# KiCad board DFTBoard.kicad_pcb
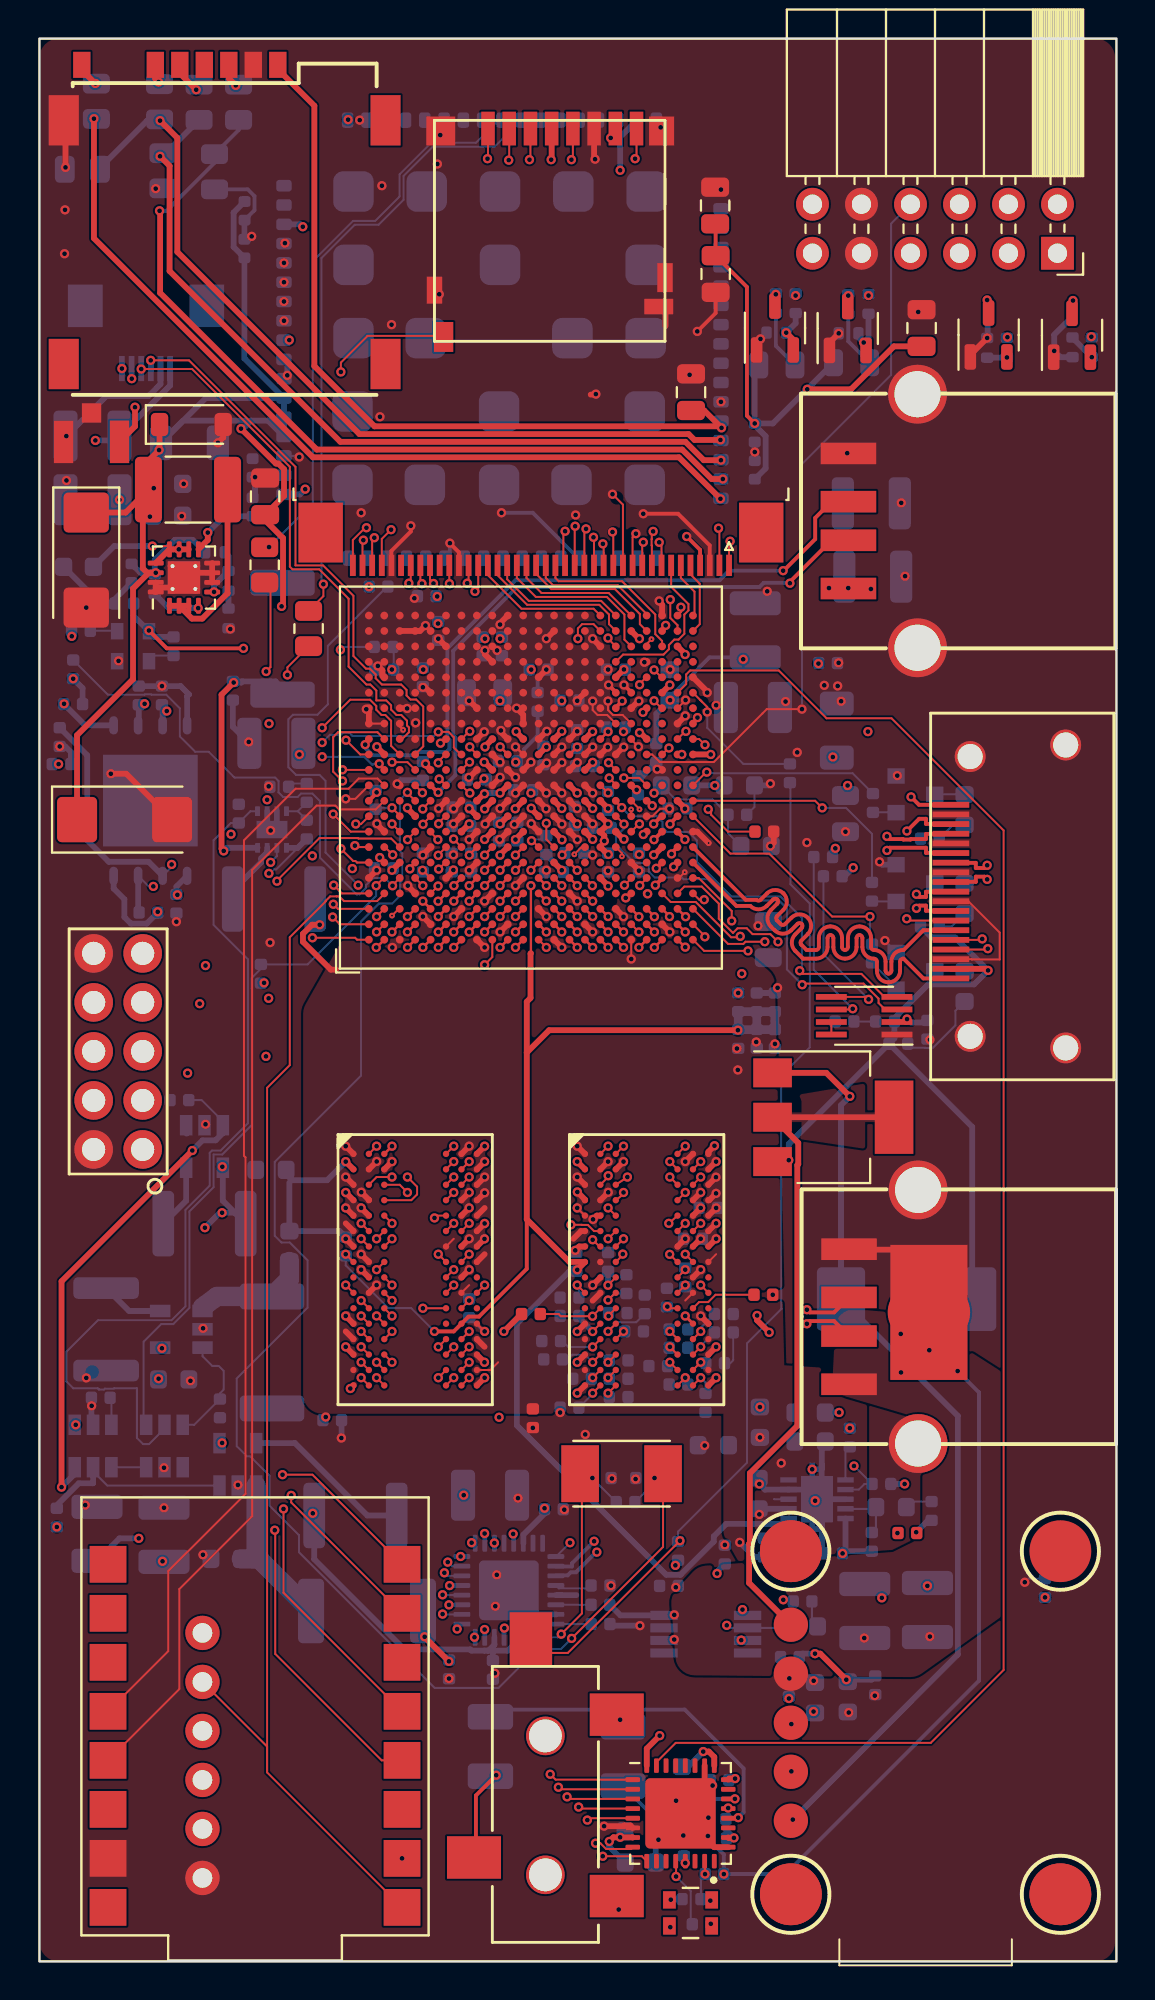
[diagram p0: board, top side]
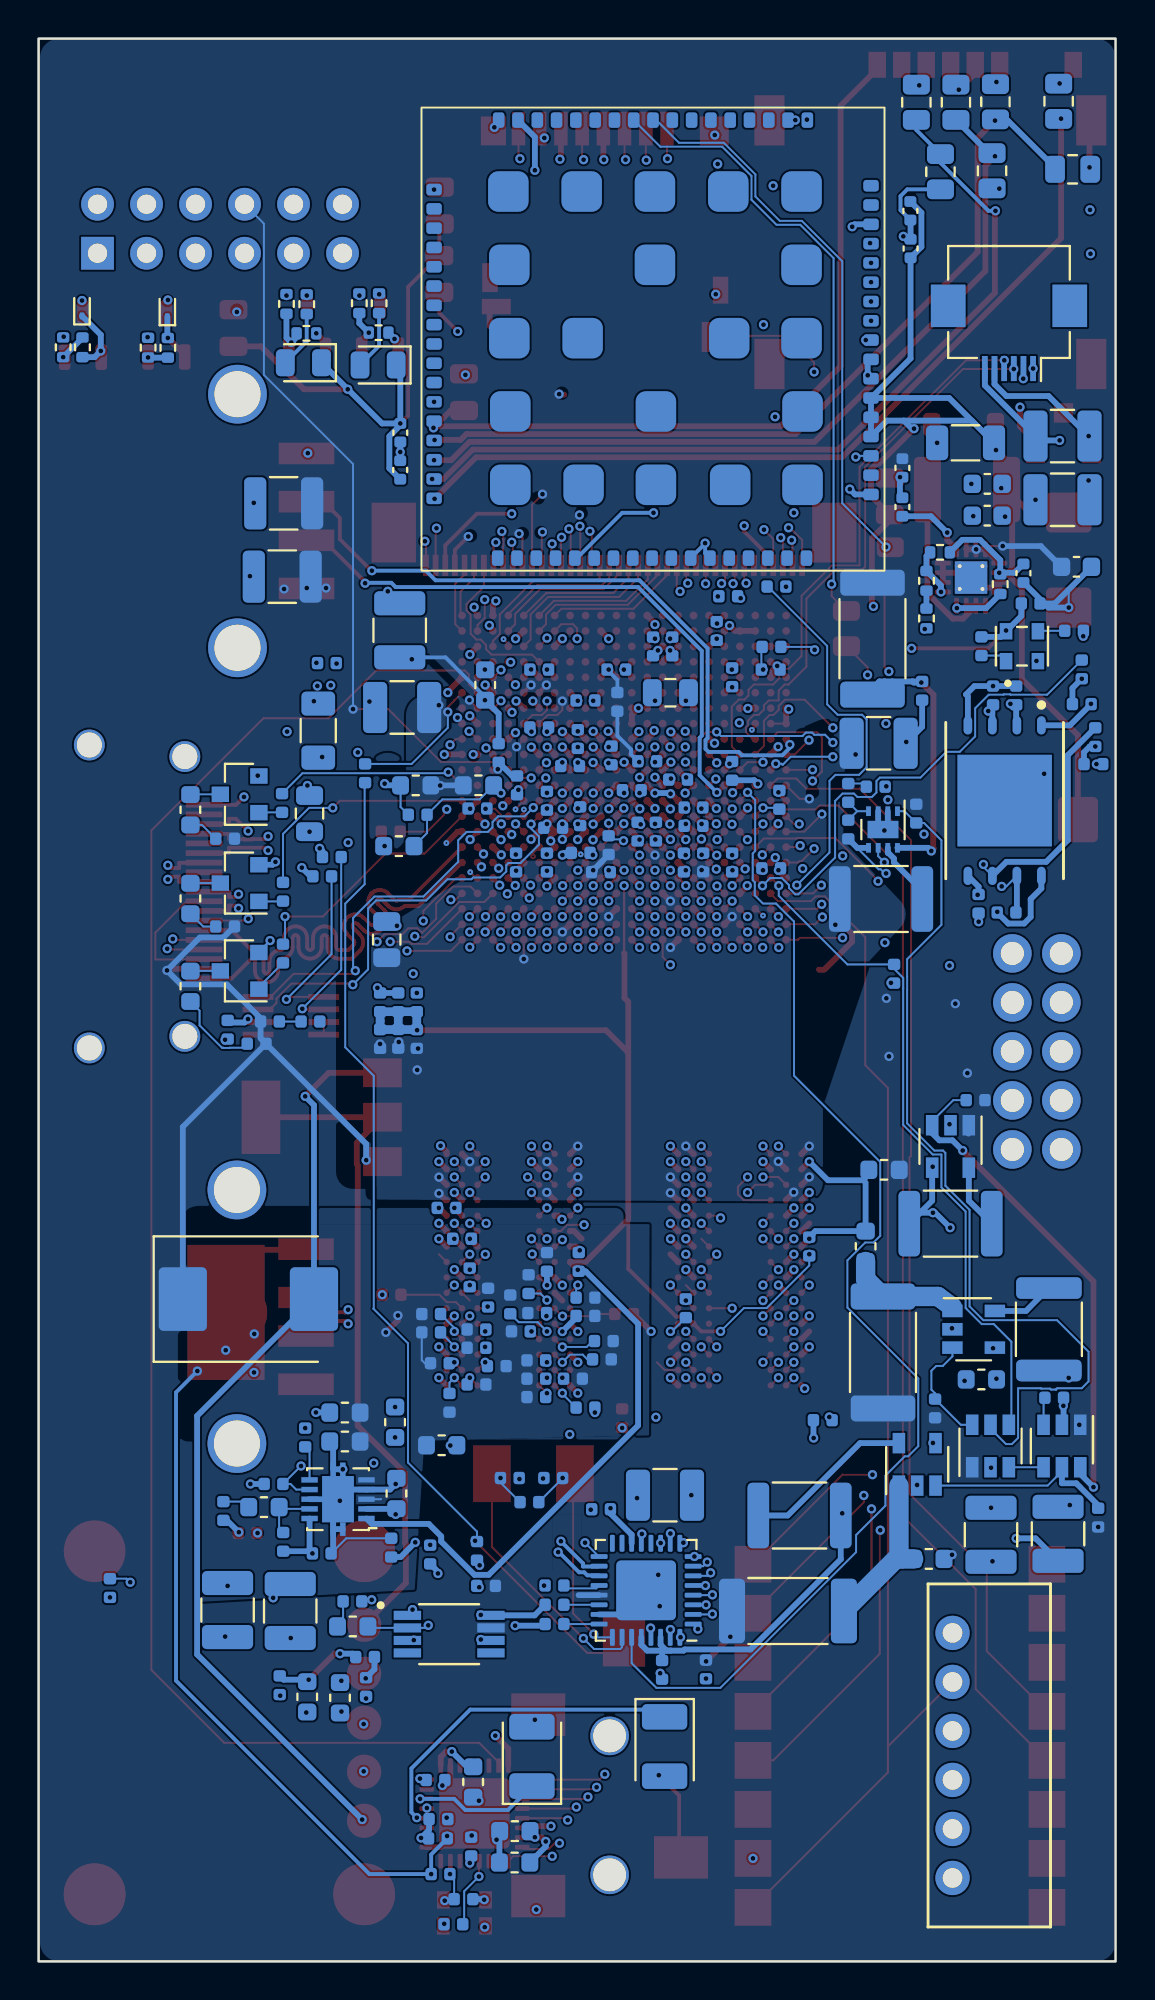
[diagram p1: board, bottom side, seen from below]

Outline 55.83 x 99.65 mm; copper layers: TOP_GND (plane), GND0 (plane), SIGNAL1, GND1 (plane), SIGNAL2, GND2, SIGNAL4, BOTTOM (plane). Coordinates in mm from the lower left corner of the outline.
Outline path: rectangle 0,99.65 55.83,0
Stack: TOP_GND 0.035mm / dielectric 0.1857mm FR4 er 4.5 / GND0 0.035mm / dielectric 0.1857mm FR4 er 4.5 / SIGNAL1 0.035mm / dielectric 0.1857mm FR4 er 4.5 / GND1 0.035mm / dielectric 0.1857mm FR4 er 4.5 / SIGNAL2 0.035mm / dielectric 0.1857mm FR4 er 4.5 / GND2 0.035mm / dielectric 0.1857mm FR4 er 4.5 / SIGNAL4 0.035mm / dielectric 0.1857mm FR4 er 4.5 / BOTTOM 0.035mm

## Placement (name value [footprint] x y rotation side)
AE1  gsm  [IPEX]  2.65 75.15 180 top
C1  .47uF  [C_0402_1005Metric]  3.18 29.21 180 bottom
C2  10uF  [C_0603_1608Metric]  12 41.03 0 bottom
C3  10uF  [C_0603_1608Metric]  12.96 37.06 90 bottom
C4  .47uF  [C_0402_1005Metric]  29.47 56.95 270 bottom
C5  4.7uF  [C_0402_1005Metric]  28.28 61.95 180 bottom
C6  100uF  [C_1210_3225Metric]  36.98 64.99 0 bottom
C7  47uF  [C_0805_2012Metric#2]  37.78 52.95 90 bottom
C8  .47uF  [C_0402_1005Metric]  26.12 62.5 270 bottom
C9  4.7uF  [C_0402_1005Metric]  27.88 63.35 90 bottom
C10  10uF  [C_0603_1608Metric]  6.96 30.16 0 bottom
C11  10uF  [C_0603_1608Metric]  32.68 66.15 90 bottom
C12  100uF  [C_1210_3225Metric]  6.46 22.11 90 bottom
C13  10uF  [C_0603_1608Metric]  9.68 20.86 180 bottom
C14  .47uF  [C_0402_1005Metric]  27.75 59.35 90 bottom
C15  .47uF  [C_0402_1005Metric]  23.83 58.55 270 bottom
C16  100nF  [C_0805_2012Metric]  33.78 81.33 90 top
C17  .47uF  [C_0402_1005Metric]  25.08 60.7 180 bottom
C18  .47uF  [C_0402_1005Metric]  29.15 58.75 180 bottom
C19  4.7uF  [C_0402_1005Metric]  25.83 65.28 90 bottom
C20  4.7uF  [C_0402_1005Metric]  24.28 62.2 180 bottom
C21  10uF  [C_0603_1608Metric]  2.03 72.28 180 bottom
C22  330uF  [C_1206_3216Metric]  41.33 63.79 90 bottom
C23  .47uF  [C_0402_1005Metric]  22.68 61.25 180 bottom
C24  4.7uF  [C_0402_1005Metric]  31.97 62.63 270 bottom
C25  100uF  [C_1210_3225Metric]  37.11 68.99 90 bottom
C26  10uF  [C_0603_1608Metric]  36.28 60.95 0 bottom
C27  4.7uF  [C_0402_1005Metric]  40.88 67.29 0 bottom
C28  100uF  [C_1210_3225Metric]  2.98 22.16 90 bottom
C29  .47uF  [C_0402_1005Metric]  21.88 59.8 180 bottom
C30  .47uF  [C_0402_1005Metric]  21.88 58.85 180 bottom
C31  .47uF  [C_0402_1005Metric]  24.78 58.55 90 bottom
C32  47uF  [C_0805_2012Metric#2]  41.78 59.49 270 bottom
C33  10uF  [C_0603_1608Metric]  37.15 57.8 0 bottom
C34  .47uF  [C_0402_1005Metric]  36.18 59.43 0 bottom
C35  2.2uF  [C_0402_1005Metric]  33.8 3.23 0 bottom
C36  .1uF  [C_0402_1005Metric]  11.05 77.4 270 bottom
C37  .1uF  [C_0402_1005Metric]  11.05 75.38 270 bottom
C38  1uF  [C_0402_1005Metric]  34.33 1.93 0 bottom
C39  .1uF  [C_0402_1005Metric]  43.33 14.31 90 bottom
C40  100uF  [CP_EIA-6032-15_Kemet-U]  4.41 59.18 0 top
C41  10uF  [C_0603_1608Metric]  41.9 13.71 90 bottom
C42  4.7uF  [C_0402_1005Metric]  34.99 4.53 0 bottom
C44  100uF  [CP_EIA-6032-15_Kemet-U]  2.43 72.63 270 top
C45  1uF  [C_0402_1005Metric]  33.4 5.95 270 bottom
C46  .47uF  [C_0402_1005Metric]  17.88 66.95 180 bottom
C47  .47uF  [C_0402_1005Metric]  20.08 70.75 180 bottom
C48  220uF Tant.  [CP_EIA-3528-12_Kemet-T]  23.38 11.14 270 bottom
C49  220uF Tant.  [CP_EIA-3528-12_Kemet-T]  30.25 10.62 90 bottom
C50  .47uF  [C_0402_1005Metric]  29.88 66.95 180 bottom
C51  10uF  [C_0603_1608Metric]  40.2 13.66 90 bottom
C52  .1uF  [C_0402_1005Metric]  35.1 7.38 0 bottom
C53  .1uF  [C_0402_1005Metric]  38.85 14.22 90 bottom
C54  10uF  [C_0603_1608Metric]  31.14 6.75 180 bottom
C55  .47uF  [C_0402_1005Metric]  22.98 68.15 270 bottom
C56  .1uF  [C_0402_1005Metric]  35.25 9.4 0 bottom
C57  4.7uF  [C_0402_1005Metric]  25.88 66.95 0 bottom
C58  10uF  [C_0603_1608Metric]  33.3 9.3 90 bottom
C59  4.7uF  [C_0402_1005Metric]  19.88 61.7 270 bottom
C60  10uF  [C_0603_1608Metric]  31.15 5.12 0 bottom
C61  47uF  [C_0805_2012Metric#2]  23.08 65.75 180 bottom
C62  .1uF  [C_0402_1005Metric]  35.12 6.38 180 bottom
C63  10uF  [C_0805_2012Metric]  45.72 84.65 90 top
C64  100nF  [C_0805_2012Metric]  35.03 91 90 top
C65  .47uF  [C_0402_1005Metric]  27.48 65.35 0 bottom
C66  4.7uF  [C_0402_1005Metric]  46.02 48.29 270 bottom
C67  100uF  [C_1210_3225Metric]  2.75 79.05 180 bottom
C68  .1uF  [C_0402_1005Metric]  38.9 15.78 180 bottom
C69  2.2uF  [C_0402_1005Metric]  29.08 19.48 180 bottom
C70  .1uF  [C_0402_1005Metric]  35.53 21.09 90 bottom
C71  .1uF  [C_0402_1005Metric]  26.67 23.43 0 bottom
C72  .1uF  [C_0402_1005Metric]  32.63 19.46 0 bottom
C73  100uF  [C_1210_3225Metric]  42.78 18.16 270 bottom
C74  100uF  [C_1210_3225Metric]  46.03 18.21 270 bottom
C75  18pF  [C_0402_1005Metric]  31.4 25.05 0 bottom
C76  18pF  [C_0402_1005Metric]  29.15 25.05 180 bottom
C77  .1uF  [C_0402_1005Metric]  21.23 15.14 270 bottom
C78  .47uF  [C_0402_1005Metric]  23.51 15.11 270 bottom
C88  33pF  [C_0805_2012Metric]  11.7 75.93 90 top
C89  10pF  [C_0805_2012Metric]  35.05 87.45 270 top
C90  10uF  [C_0603_1608Metric]  6.65 74.93 0 bottom
C91  10uF  [C_0603_1608Metric]  6.65 76.58 0 bottom
C92  .47uF  [C_0402_1005Metric]  37.08 77.3 90 bottom
C93  .01uF  [C_0402_1005Metric]  27.83 36.25 90 bottom
C94  .1uF  [C_0402_1005Metric]  36.22 47.81 90 bottom
C95  .1uF  [C_0402_1005Metric]  36.22 49.71 90 bottom
C96  .1uF  [C_0402_1005Metric]  38.12 47.81 90 bottom
C97  .1uF  [C_0402_1005Metric]  38.12 49.71 90 bottom
C98  .01uF  [C_0402_1005Metric]  15.88 37.05 90 bottom
C99  100uF  [C_1210_3225Metric]  12.28 63.13 180 bottom
C100  4.7uF  [C_0402_1005Metric]  21.38 56.95 90 bottom
C101  .47uF  [C_0402_1005Metric]  26.68 56.45 180 bottom
C102  .47uF  [C_0402_1005Metric]  34.68 39.05 180 bottom
C103  .47uF  [C_0402_1005Metric]  37.55 21.44 90 bottom
C104  .47uF  [C_0402_1005Metric]  33.88 37.45 0 bottom
C105  .01uF  [C_0402_1005Metric]  22.38 56.95 270 bottom
C106  .01uF  [C_0402_1005Metric]  27.73 57.45 0 bottom
C107  .47uF  [C_0402_1005Metric]  37.08 79.23 270 bottom
C108  .47uF  [C_0402_1005Metric]  10.03 65.85 270 bottom
C109  .01uF  [C_0402_1005Metric]  15.18 28.05 0 bottom
C110  .01uF  [C_0402_1005Metric]  25.58 28.15 270 top
C111  .47uF  [C_0402_1005Metric]  10.64 90.73 270 bottom
C112  4.7uF  [C_0402_1005Metric]  10.62 88.77 90 bottom
C113  47uF  [C_1210_3225Metric]  23.36 24.16 0 bottom
C114  4.7uF  [C_0402_1005Metric]  19.88 66.55 270 bottom
C115  4.7uF  [C_0402_1005Metric]  52.12 19.35 90 bottom
C116  .47uF  [C_0402_1005Metric]  31.03 60.95 90 bottom
C117  .47uF  [C_0402_1005Metric]  31.08 56.95 270 bottom
C118  .47uF  [C_0402_1005Metric]  33.08 59.75 180 bottom
C119  .47uF  [C_0402_1005Metric]  20.68 68.95 270 bottom
C120  .01uF  [C_0402_1005Metric]  4.4 70.38 180 bottom
C121  .47uF  [C_0402_1005Metric]  23.98 68.15 270 bottom
C122  4.7uF  [C_0402_1005Metric]  17.85 56.65 180 bottom
C123  100uF  [C_1210_3225Metric]  2.75 75.75 180 bottom
C124  4.7uF  [C_0402_1005Metric]  4.78 71.95 270 bottom
C125  10uF  [C_0603_1608Metric]  37.28 24.25 90 bottom
C126  10uF  [C_0603_1608Metric]  37.34 27.94 90 bottom
C127  4.7uF  [C_0402_1005Metric]  41.15 21.14 0 bottom
C128  10uF  [C_0603_1608Metric]  39.94 26.94 0 bottom
C129  10uF  [C_0603_1608Metric]  34.93 26.75 180 bottom
C130  10uF  [C_0603_1608Metric]  39.94 28.44 0 bottom
C131  .1uF  [C_0402_1005Metric]  42 27.15 90 bottom
C132  330uF  [C_1206_3216Metric#2]  7.78 78.7 0 bottom
C133  22pF  [R_0805_2012Metric]  2.23 92.88 180 bottom
C134  22pF  [R_0805_2012Metric]  6.4 92.8 270 bottom
C135  22pF  [R_0805_2012Metric]  9.08 92.75 270 bottom
C136  100uF  [C_1210_3225Metric#2]  43.19 71.77 180 bottom
C137  100uF  [C_1210_3225Metric#2]  43.12 75.57 180 bottom
CON1  AVR-JTAG-10  [XilinxJTAG]  4.08 47.16 0 top
D2  5.1V  [D_SOD-123]  7.88 79.65 0 top
D3  BLUE LED  [C_0603_1608Metric]  39.54 17.36 0 bottom
D4  BLUE LED  [C_0603_1608Metric]  47.96 59.69 270 bottom
D5  BLUE LED  [C_0603_1608Metric]  47.96 55.09 270 bottom
D6  BLUE LED  [C_0603_1608Metric]  47.96 50.54 270 bottom
D7  BLUE LED  [C_0603_1608Metric]  44.15 23.54 0 bottom
D8  ESD9B5.0ST5G  [D_SOD-923]  49.15 85.66 90 bottom
D9  ESD9B5.0ST5G  [D_SOD-923]  53.58 85.7 90 bottom
D10  blue  [LED_0805_2012Metric]  38.22 82.74 0 bottom
D11  blue  [LED_0805_2012Metric]  42.1 82.85 0 bottom
FB1  120R, 100 MHz, size 0603  [C_0603_1608Metric]  33.03 60.95 0 bottom
GT1  GNDTIE  [gndtie]  46.11 33.64 270 top
J1  SIM7100-6-1-15-00-A_REVC  [GCT_SIM7100-6-1-15-00-A_REVC]  9.6 90.08 0 top
J2  USB_A  [USB-A-Receptacle-FCI_87583]  43.37 74.65 90 top
J3  Conn_02x20_Top_Bottom  [TE_4-1734839-0_1x40-1MP_P0.5mm_Horizontal]  26 73.7 180 top
J4  Conn_01x06_Female  [Hirose_FH12-6S-0.5SH_1x06-1MP_P0.50mm_Horizontal]  5.53 84.4 0 bottom
J5  JACK_TRS_4PINS  [SJ-352X-SMT]  26.23 3.39 90 top
J6  USB_A  [USB-A-Receptacle-FCI_87583]  43.4 33.41 90 top
J8  Micro_SD_Card_Det  [AMPHENOL-114-00841-68]  26.45 89.94 180 top
J9  HDMI_A  [10029449-111RLF]  53.19 55.19 90 top
L1  2.2uH  [C_1812_4532Metric#2]  12.16 55.06 0 bottom
L2  2.2uH  [C_1812_4532Metric#2]  3.46 32.76 270 bottom
L3  2.2uH  [C_1812_4532Metric#2]  8.56 38.24 0 bottom
L4  2.2uH  [C_1812_4532Metric#2]  16.38 23.11 180 bottom
L5  2.2uH  [C_1812_4532Metric]  7.7 76.28 180 top
MIC1  MEMSMIC  [MIC_SPW2430HR5H-B]  33.75 2.51 270 top
PMOD1  PMOD-Host-x2-GPIO  [PinSocket_2x06_P2.54mm_Horizontal]  52.77 88.53 270 top
Q1  NDT452AP  [SOT-223-3_TabPin2]  41.15 43.75 0 top
Q2  MMBTA14-7-F  [SOT-23-3]  49.2 84.29 90 top
Q4  MMBTA14-7-F  [SOT-23-3]  53.53 84.28 90 top
Q6  MMBTA14-7-F  [SOT-23-3]  38.12 84.65 90 top
Q7  MMBTA14-7-F  [SOT-23-3]  41.9 84.63 90 top
Q8  IRLML2502  [SOT-23]  45.41 60.49 0 bottom
Q9  IRLML2502  [SOT-23]  45.41 55.89 0 bottom
Q10  IRLML2502  [SOT-23]  45.41 51.34 0 bottom
R1  100k  [R_0402_1005Metric]  7.26 44.64 0 bottom
R2  100k  [R_0402_1005Metric]  0.9 23 90 bottom
R3  100k  [R_0402_1005Metric]  9.36 28.66 90 bottom
R4  100k  [R_0402_1005Metric]  10.33 59.49 270 bottom
R5  100k  [R_0402_1005Metric]  11.48 51.19 90 bottom
R6  10k  [R_0402_1005Metric]  13.86 58.66 270 bottom
R7  240 1%  [R_0402_1005Metric]  13.86 60.56 90 bottom
R8  4.7k  [R_0402_1005Metric]  12.43 60.88 180 bottom
R9  4.7k  [R_0402_1005Metric]  29.47 60.15 270 bottom
R10  4.7k  [R_0402_1005Metric]  29.88 63.95 0 bottom
R12  4.7k  [R_0402_1005Metric#2]  50.15 83.64 270 bottom
R14  4.7k  [R_0402_1005Metric#2]  54.55 83.65 270 bottom
R16  49.9k  [R_0402_1005Metric#2]  49.12 83.63 90 bottom
R17  49.9k  [R_0402_1005Metric#2]  53.55 83.65 270 bottom
R18  22R  [R_0805_2012Metric]  11.68 72.38 90 top
R22  22R  [R_0805_2012Metric]  13.95 69.08 90 top
R23  100k  [R_0402_1005Metric#2]  5.98 71.38 90 bottom
R24  100k  [R_0402_1005Metric#2]  9.1 73.03 180 bottom
R25  20k  [R_0402_1005Metric]  43.65 24.74 180 bottom
R26  47  [R_0402_1005Metric]  17.58 71.25 180 bottom
R27  4.7k  [R_0402_1005Metric#2]  9.8 71.55 270 bottom
R28  100k  [R_0402_1005Metric]  33.1 21.28 270 bottom
R29  20k  [R_0402_1005Metric#2]  9.8 69.6 270 bottom
R30  22R  [R_0805_2012Metric]  6.23 96.38 90 bottom
R31  49.9k  [R_0402_1005Metric]  38.9 61.58 270 bottom
R32  22R  [R_0805_2012Metric]  8.28 96.35 90 bottom
R33  10k  [R_0402_1005Metric]  17.43 60.2 90 bottom
R34  100k  [R_0402_1005Metric]  41.73 48.71 0 bottom
R35  150  [R_0402_1005Metric]  39.56 18.66 180 bottom
R36  10k  [R_0402_1005Metric]  29.08 18.48 0 bottom
R37  1M  [R_0402_1005Metric]  30.38 23.8 180 bottom
R38  8.06k 1%  [R_0402_1005Metric]  29.08 17.48 0 bottom
R42  22R  [R_0805_2012Metric]  10.33 96.35 90 bottom
R43  22R  [R_0805_2012Metric]  2.95 96.4 90 bottom
R44  4.7k  [R_0402_1005Metric#2]  39.2 85.94 270 bottom
R45  49.9k  [R_0402_1005Metric#2]  38.2 84.41 180 bottom
R46  240 1%  [R_0402_1005Metric]  37.53 34.55 0 top
R47  10k 1%  [R_0402_1005Metric]  37.18 47.82 90 bottom
R48  10k 1%  [R_0402_1005Metric]  37.18 49.71 90 bottom
R49  240 1%  [R_0402_1005Metric]  22.28 33.85 270 bottom
R50  80.6 1%  [R_0402_1005Metric]  33.47 35.45 270 bottom
R51  40.2 1%  [R_0402_1005Metric]  30.83 32.65 0 bottom
R52  40.2 1%  [R_0402_1005Metric]  33.12 31.8 0 bottom
R53  40.2 1%  [R_0402_1005Metric]  30.03 31.15 0 bottom
R54  40.2 1%  [R_0402_1005Metric]  26.53 32.15 180 bottom
R55  40.2 1%  [R_0402_1005Metric]  35.47 32.6 0 bottom
R56  40.2 1%  [R_0402_1005Metric]  26.62 31.2 180 bottom
R57  40.2 1%  [R_0402_1005Metric]  35.03 31 0 bottom
R58  40.2 1%  [R_0402_1005Metric]  28.12 30.2 180 bottom
R59  40.2 1%  [R_0402_1005Metric]  34.53 28.95 270 bottom
R60  40.2 1%  [R_0402_1005Metric]  30.03 30.2 0 bottom
R61  40.2 1%  [R_0402_1005Metric]  32.53 34.4 90 bottom
R62  40.2 1%  [R_0402_1005Metric]  32.08 30.85 180 bottom
R63  40.2 1%  [R_0402_1005Metric]  33.12 32.75 0 bottom
R64  40.2 1%  [R_0402_1005Metric]  30.03 29.25 0 bottom
R65  40.2 1%  [R_0402_1005Metric]  33.12 29.9 180 bottom
R66  40.2 1%  [R_0402_1005Metric]  27.48 33.45 180 bottom
R67  40.2 1%  [R_0402_1005Metric]  35.47 33.55 0 bottom
R68  40.2 1%  [R_0402_1005Metric]  31.38 34.05 90 bottom
R69  40.2 1%  [R_0402_1005Metric]  29.47 36.25 90 bottom
R70  40.2 1%  [R_0402_1005Metric]  30.43 35.1 90 bottom
R71  40.2 1%  [R_0402_1005Metric]  29.97 33.6 0 bottom
R72  40.2 1%  [R_0402_1005Metric]  27.48 34.4 180 bottom
R73  40.2 1%  [R_0402_1005Metric]  25.48 33.55 180 top
R74  4.7k  [R_0402_1005Metric]  27.48 28.7 180 bottom
R75  80.6 1%  [R_0402_1005Metric]  26.28 57.85 270 bottom
R76  80.6 1%  [R_0402_1005Metric]  37.58 58.55 0 top
R77  1k  [R_0402_1005Metric]  43.21 60.04 90 bottom
R78  150  [R_0402_1005Metric]  46.16 58.19 0 bottom
R79  1k  [R_0402_1005Metric]  43.16 55.44 90 bottom
R80  150  [R_0402_1005Metric]  46.16 53.64 180 bottom
R81  100k  [R_0402_1005Metric]  43.83 48.71 0 bottom
R82  4.7k  [R_0402_1005Metric]  41.12 56.24 180 bottom
R83  4.7k  [R_0402_1005Metric]  40.62 57.24 180 bottom
R84  4.7k  [R_0402_1005Metric#2]  42.97 85.9 270 bottom
R85  1k  [R_0402_1005Metric]  43.16 52.24 90 bottom
R86  150  [R_0402_1005Metric]  44.52 47.56 180 bottom
R87  49.9k  [R_0402_1005Metric#2]  41.94 84.38 180 bottom
R88  .05  [R_2512_6332Metric]  12.06 31.56 90 bottom
R89  .05  [R_2512_6332Metric]  12.6 68.55 270 bottom
R90  .05  [R_2512_6332Metric]  16.98 18.16 180 bottom
R91  20k  [R_0402_1005Metric]  1.05 63.45 270 bottom
R92  20k  [R_0402_1005Metric]  7.1 54.81 270 bottom
R93  20k  [R_0402_1005Metric]  6.35 65.61 90 bottom
R94  20k  [R_0402_1005Metric]  5.15 65.61 90 bottom
R95  20k  [R_0402_1005Metric]  5.65 54.36 0 bottom
R96  20k  [R_0402_1005Metric]  1.15 62.05 0 bottom
R97  20k  [R_0402_1005Metric]  19.88 56.95 90 bottom
R98  4.7k  [R_0402_1005Metric]  6.95 68.16 90 bottom
R99  47k  [R_0402_1005Metric]  17.84 68.13 180 bottom
R100  24.9 1%  [R_0402_1005Metric]  2.15 68.96 0 bottom
R101  100k  [R_0402_1005Metric]  43.15 21.74 90 bottom
R102  150  [R_0402_1005Metric]  46.25 23.34 270 bottom
R103  4.7k  [R_0402_1005Metric]  1.75 66.96 90 bottom
R104  4.7k  [R_0402_1005Metric]  44.99 22.2 180 top
R105  4.7k  [R_0402_1005Metric#2]  38.18 85.94 270 bottom
R106  20k  [R_0402_1005Metric]  1.75 65.16 0 bottom
R107  4.7k  [R_0402_1005Metric#2]  41.93 85.89 270 bottom
S8KC-13  D  [D_SMC]  44.95 34.33 180 bottom
U1  LM3880  [SOT-23-6]  2.78 26.71 270 bottom
U2  LM3880  [SOT-23-6]  6.48 26.71 90 bottom
U3  SC189 - 1.0V  [SOT-23-5]  8.56 42.24 270 bottom
U4  SC189 - 3.3V  [SOT-23-5]  7.36 32.76 180 bottom
U5  TLV62080DSGx  [WSON-8-1EP_2x2mm_P0.5mm_EP0.9x1.6mm]  12.06 58.66 270 bottom
U6  TPS62132  [VQFN-16-1EP_3x3mm_P0.5mm_EP1.68x1.68mm_ThermalVias]  7.49 71.72 90 top
U7  SC189 - 1.8V  [SOT-23-5]  10.28 25.76 90 bottom
U8  TPS51200DRCR  [VSON-10-1EP_3x3mm_P0.5mm_EP1.65x2.4mm_ThermalVias]  40.31 23.95 0 bottom
U9  TLV320AIC3104  [QFN-32-1EP_5x5mm_P0.5mm_EP3.65x3.65mm]  33.23 7.67 0 top
U10  USB3320  [QFN-32-1EP_5x5mm_P0.5mm_EP3.1x3.1mm]  24.33 19.23 0 bottom
U11  MIC2025-1YMM  [SOP65P490X110-8N]  34.54 16.96 180 bottom
U12  ~  [Micro Lipo]  42.75 12.92 90 top
U13  SIM_COM_A7670  [A7670C]  11.98 99.08 270 bottom
U14  ESP32-C3_SUPERMINI  [MODULE_ESP32-C3_SUPERMINI]  11.18 12.7 180 top
U15  MT41K256M16HA-125_E  [FBGA-96-DDR3-SDRAM]  31.47 35.85 0 top
U16  MT41K256M16HA-125_E  [FBGA-96-DDR3-SDRAM]  19.48 35.85 0 top
U17  FTDITypeUART  [FTDI_CONN]  8.45 10.68 180 bottom
U18  ABRACON-ASDMB  [XTAL_ASDMB-24.000MHZ-LC-T]  4.85 68.16 90 bottom
U19  S25FL256SAGNFI001  [Cypress-002-18827-0-0-0]  5.75 60.16 270 bottom
U20  xc7z020clg484  [BGA-484_19.0x19.0mm_Layout22x22_P0.80mm_dia0.40mm]  25.48 61.35 90 top
U21  PCA9306  [SSOP-8_2.95x2.8mm_P0.65mm]  42.75 49.01 180 top
Y1  24.000MHZ  [XTAL500X320X130N]  30.18 25.28 180 top

## Library data of the parts
AE1 = -: Description: Antenna with extra pin for shielding
C1 C4 C8 C14 C15 C17 C18 C23 C29-C31 C34 C46 C47 C50 C55 C65 C78 C92 C101-C104 C107 C108 C111 C116-C119 C121 = -: Description: Unpolarized capacitor, small symbol; MFR: Yageo; MPN: CC0402KRX5R5BB474; SPN: 311-1684-1-ND; SPR: Digikey
C2 C3 C10 C11 C13 C21 C26 C33 C90 C91 C125 C126 C128-C130 = -: Description: Unpolarized capacitor, small symbol; MFR: Murata; MPN: GRM188R61A106KE69J; SPN: 490-14372-1-ND; SPR: Digikey
C5 C9 C19 C20 C24 C27 C42 C57 C59 C66 C100 C112 C114 C115 C122 C124 C127 = -: Description: Unpolarized capacitor, small symbol; MFR: Murata; MPN: GRM155R60G475ME47D; SPN: 490-11980-1-ND; SPR: Digikey
C6 C12 C25 C28 C67 C73 C74 C99 C123 C136 C137 = -: Description: Unpolarized capacitor, small symbol; MFR: TAIYO YUDEN; MPN: JMK325ABJ107MM-P; SPN: 587-4313-1-ND; SPR: Digikey
C7 = -: Description: Unpolarized capacitor, small symbol; MFR: Murata; MPN: GRM219R60J476ME44D; SPN: 490-13249-1-ND; SPR: Digikey; SPURL: -
C16 C63 C64 C88 C89 C133-C135 = -: Desc: Capacitor SMD Ceramic 0805; Link: http://www.dientuachau.com/ceramic-0805
C22 C132 = -: Description: Unpolarized capacitor, small symbol; MFR: AVX Corporation; MPN: F950G337MAAAQ2; SPN: 478-8378-1-ND; SPR: Digikey; SPURL: -
C32 C61 = -: Description: Unpolarized capacitor, small symbol; MFR: Murata; MPN: GRM219R60J476ME44D; SPN: 490-13249-1-ND; SPR: Digikey
C35 C69 = -: Description: Unpolarized capacitor; MFR: Murata; MPN: GRM155R61A225KE95D; SPN: 490-10451-1-ND; SPR: Digikey
C36 C37 C94-C97 C131 = -: Description: Unpolarized capacitor, small symbol; MFR: Yageo; MPN: CC0402KRX7R6BB104; SPN: 311-1345-1-ND; SPR: Digikey
C38 C45 = -: Description: Unpolarized capacitor; MFR: Yageo; MPN: CC0402KRX5R6BB105; SPN: 311-1439-1-ND; SPR: Digikey
C39 C52 C53 C56 C62 C68 C70-C72 C77 = -: Description: Unpolarized capacitor; MFR: Yageo; MPN: CC0402KRX7R6BB104; SPN: 311-1345-1-ND; SPR: Digikey
C40 C44 = -: Desc: SMD Tantalum Capacitor; Link: http://www.tme.vn/Products.aspx?cateId=258
C41 C51 C54 C58 C60 = -: Description: Unpolarized capacitor; MFR: Murata; MPN: GRM188R61A106KE69J; SPN: 490-14372-1-ND; SPR: Digikey
C48 C49 = -: MFR: AVX Corporation; MPN: F930G227KBA; SPN: 478-8139-1-ND; SPR: Digikey
C75 C76 = -: Description: Unpolarized capacitor, small symbol; MFR: Murata; MPN: GCM1555C1H180JA16D; SPN: 490-12650-1-ND; SPR: Digikey; SPURL: -
C93 C98 C105 C106 C109 C110 C120 = -: Description: Unpolarized capacitor, small symbol; MFR: Murata; MPN: GRM155R71H103KA88J; SPN: 490-6351-1-ND; SPR: Digikey; SPURL: -
C113 = -: Description: Unpolarized capacitor, small symbol; MFR: Murata Manufacturing Co Ltd; MPN: GRM32ER70J476ME20L; SPN: 490-6542-1-ND; SPR: Digikey
CON1 = -: MFR: DNS
D2 = -: Description: 500mW Zener Diode, 6%, MicroMELF
D3-D7 = -: MFR: Vishay Semiconductors; MPN: VLMB1300-GS08; SPN: VLMB1300-GS08CT-ND; SPR: Digikey
D8 D9 = -: Description: ESD protection diode, 5.0Vrwm, SOD-923
D10 D11 = -: Desc: LED0805; Link: https://thegioiic.com/product/led-dan-smd-2012-0805
FB1 = -: MFR: Murata Electronics; MPN: BLM18AG121SN1D; SPN: 490-1011-1-ND; SPR: Digikey; SPURL: -
GT1 U17 = -: MFR: DNS; MPN: -; SPN: -; SPR: -; SPURL: -
J1 = -: MANUFACTURER: Global Connector Technology; MAXIMUM_PACKAGE_HEIGHT: 1.5mm; PARTREV: C; STANDARD: Manufacturer Recommendations
J2 J6 = -: MFR: Amphenol ICC; MPN: 87583-2010RLF; SPN: 609-5390-1-ND; SPR: Digikey; SPURL: -
J3 = -: Description: Generic connector, double row, 02x20, top/bottom pin numbering scheme (row 1: 1...pins_per_row, row2: pins_per_row+1 ... num_pins), script generated (kicad-library-utils/schlib/autogen/connector/)
J4 = -: Description: Generic connector, single row, 01x06, script generated (kicad-library-utils/schlib/autogen/connector/)
J5 = -: MFR: CUI Inc.; MPN: SJ-3524-SMT-TR; SPN: CP-3524SJCT-ND; SPR: Digikey
J8 = -: MFR: Amphenol ICC; MPN: 114-00841-68; SPN: 114-00841-68-1-ND; SPR: Digikey; SPURL: -
J9 = -: Description: HDMI type A connector; MFR: Amphenol ICC; MPN: 10029449-111RLF; SPN: 609-4614-1-ND; SPR: Digikey; SPURL: -
L1-L5 = -: MFR: Murata; MPN: LQH43PN2R2M26L; SPN: 490-12049-1-ND; SPR: Digikey
MIC1 = -: MFR: Knowles; MPN: SPW2430HR5H-B; SPN: 423-1394-1-ND; SPR: Digikey
Q1 = -: Description: 4A Id, 60V Vds, N-Channel Logic Level Enhancement Mode MOSFET, SOT-223